# Altium PCB DCAC_V2c.PcbDoc (part 3 of 7)
Units mm, origin at the board's own origin, x right, y up, seen from the top; angles counter-clockwise.
Board outline 174.4 x 124.43 mm, 4 copper layers (Top Layer, TOP_RTN, BOTT_RTN, Bottom Layer), stack 1.506 mm thick; 694 components, 367 nets, 1780 pads, 720 vias.
Unrouted connection lines stored in the file: 177.
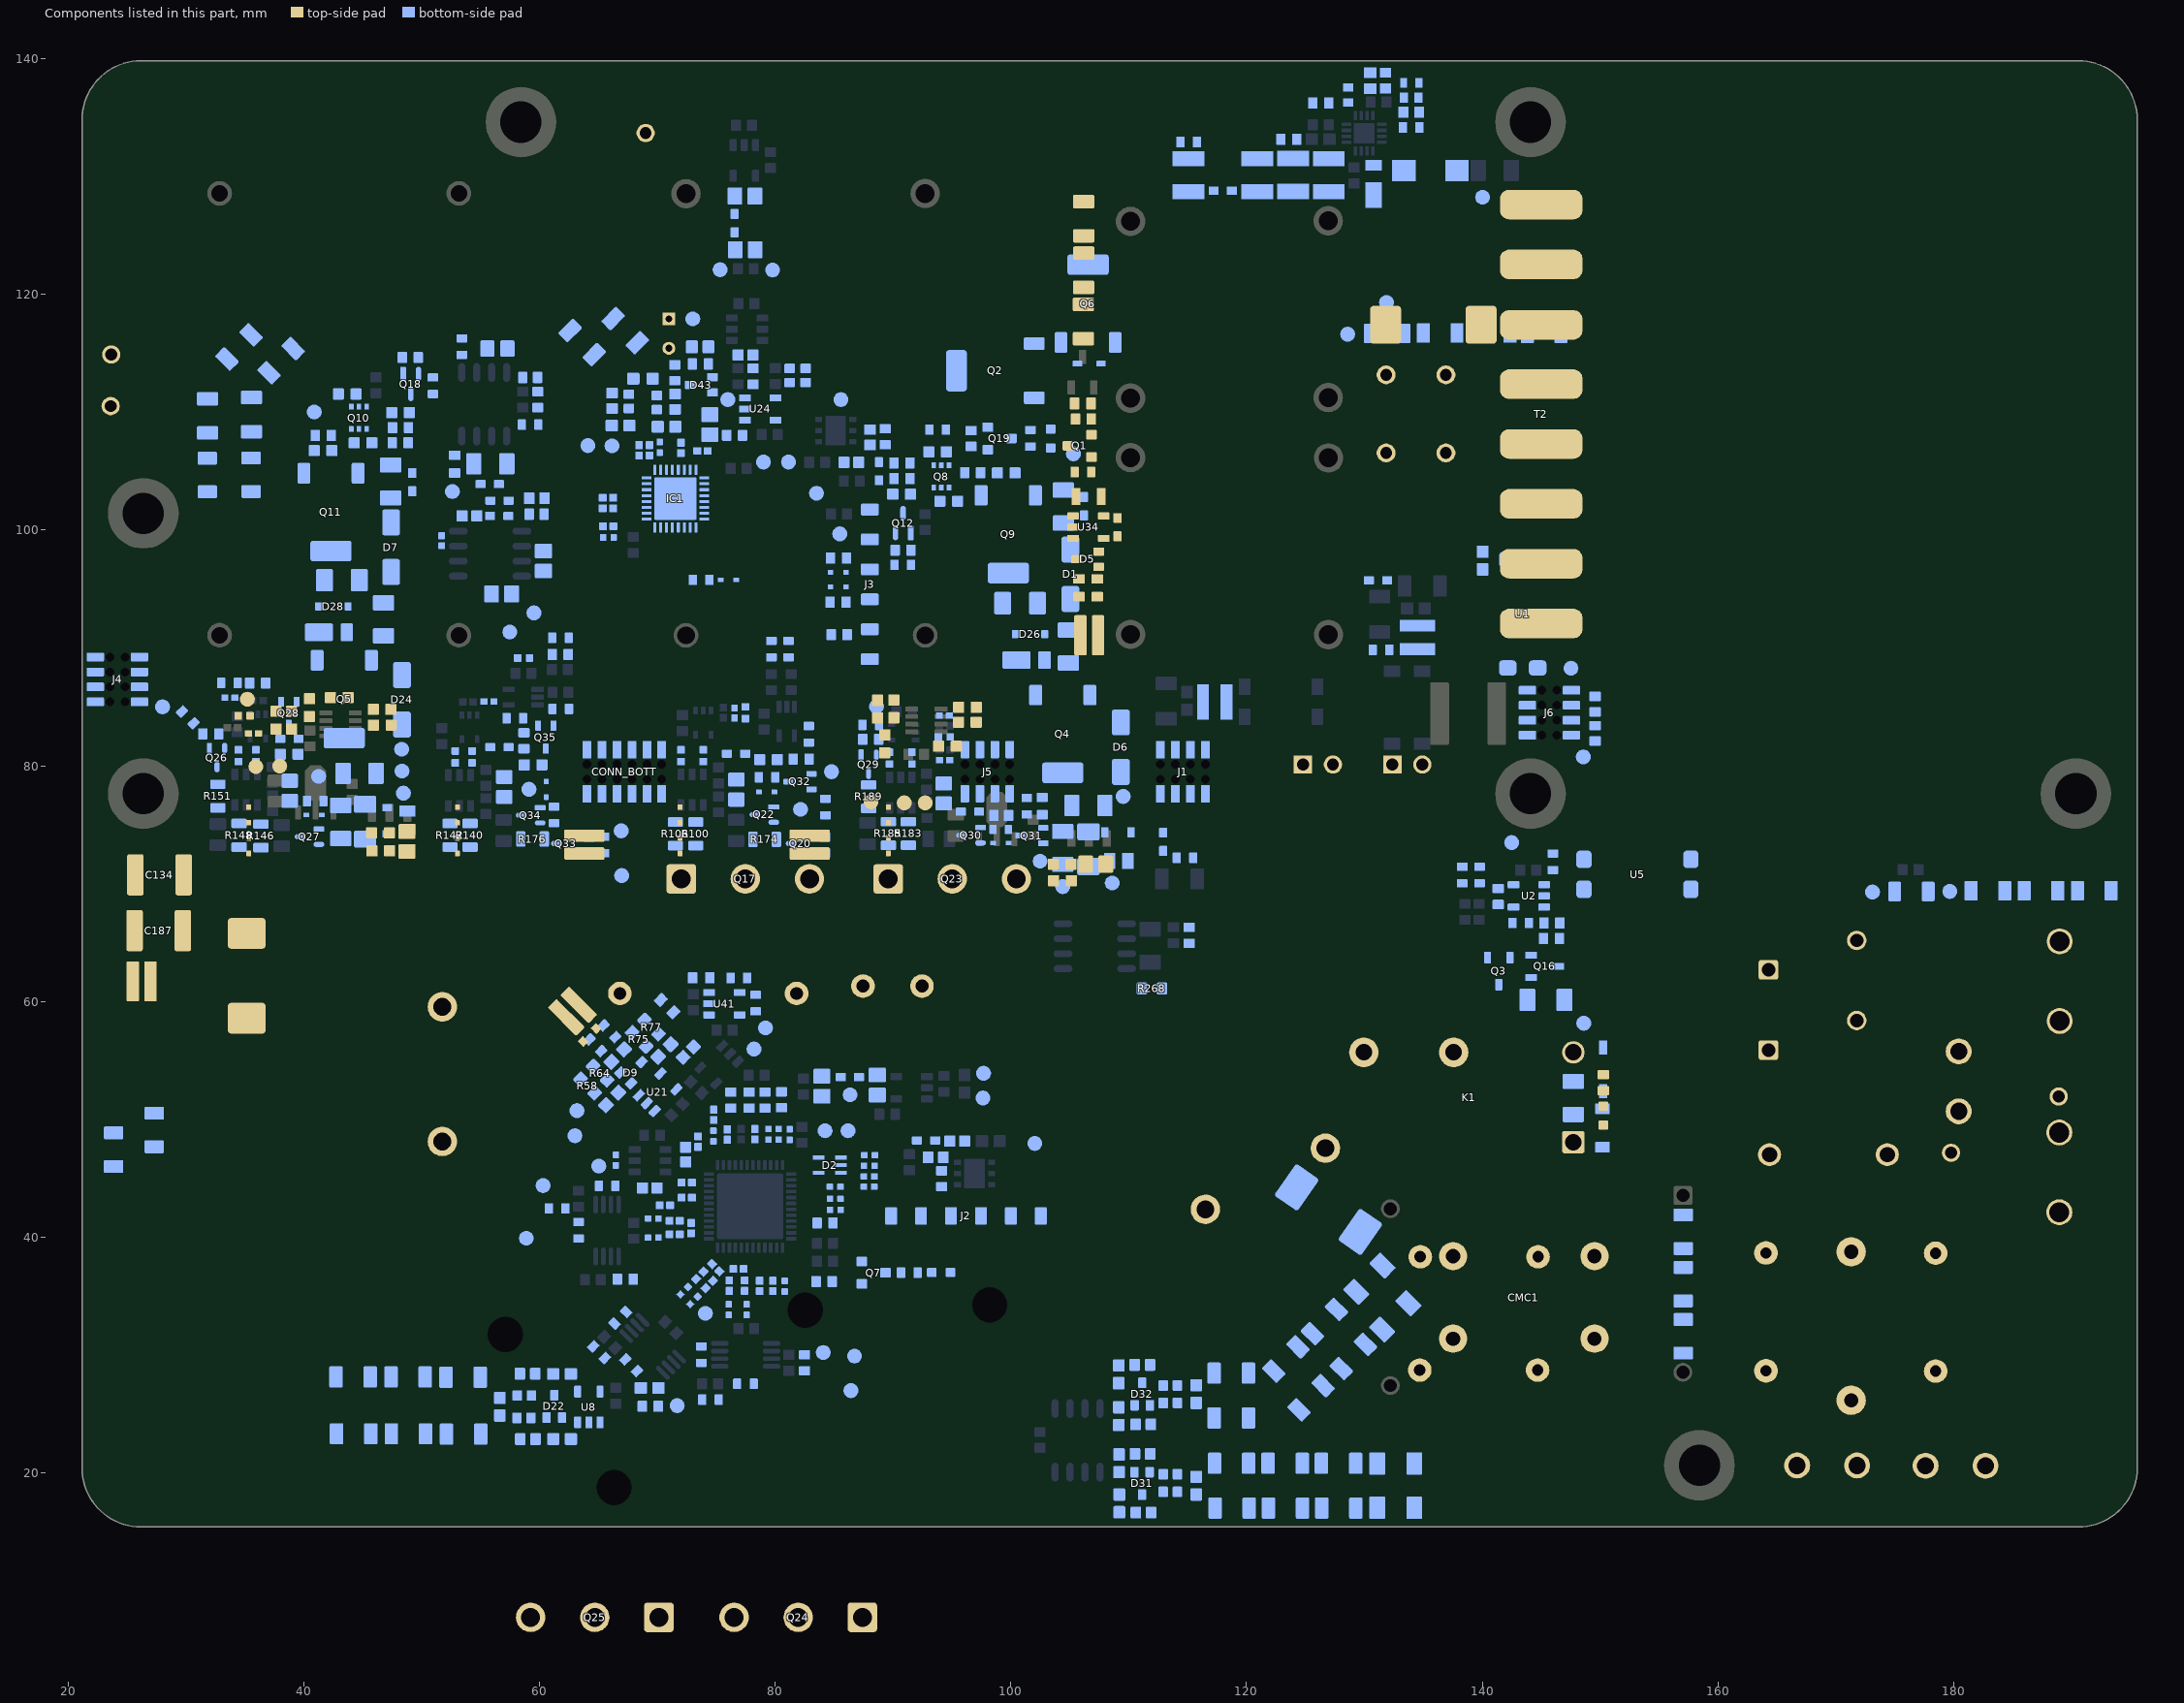
[diagram p5: the components of this part, seen from the top]

## Part data (continued)
C25 C26 C27 C28 C38 C42 C43 C45 C47 C49: library part CAP-NP-2, "X5R ±10% 50V 10uF 1206 Multilayer Ceramic Capacitors MLCC - SMD/SMT ROHS", Capacitance=10µF, Case Size/Dimension=1206, Dielectric=X5R, JLCPCB Part #=C13585, Manufacturer=AVX, Package Description="2-Pin Surface Mount Device, Body 3.2 x 1.6 mm", Rated Voltage=25V, Tolerance (%)=±10%, Datasheet URL=http://datasheets.avx.com/cx5r.pdf, Datasheet Version=05/2016, Manufacturer URL=http://www.avx.com/, Mounting Technology=SurfaceMount, Package Reference=1206
C29 C46 C63 C64 C68 C72 C104 C108 C114 C160: library part CAP, "X7R 100nF ±10% 16V 0402 Multilayer Ceramic Capacitors MLCC - SMD/SMT ROHS", Case Code (Imperial)=0402, Case Code (Metric)=1005, Dielectric=X5R, Dielectric Material=Ceramic, JLCPCB Part #=C1525, Manufacturer="AVX Interconnect / Elco", Manufacturer Part Number=04026D104KAT2A, Max Operating Temperature=85°C, Min Operating Temperature=-55°C, Package Quantity=1, Supplier Part Number 1=34M9214, Tolerance=10%, Voltage=6.3V, Capacitance=100nF, Case/Package=0402, Category="Ceramic Capacitors", Construction=Flat, Contact Plating=Tin,Matte, Depth=0.5mm, Height=0.56mm, Lead Free="Lead Free", Length=1mm, Mount="Surface Mount", Packaging="Tape and Reel", Part Number=04026D104KAT2A, Pricing 1="10=0.02800, 25=0.02300, 50=0.01800, 100=0.01200, 250=0.01100, 500=0.00900, 1000=0.00700 (USD)", Radiation Hardening=No, REACH SVHC="No SVHC", RoHS=Yes, RoHS Compliant=Yes, Series=-, Stock 1=1436, Supplier 1=Newark, Termination=SMD/SMT, Thickness=0.022inch, Voltage Rating=6.3V, Voltage Rating (DC)=6.3V, Width=0.02inch
C32 C39 C50 C51 C52 C62 C74 C76 C130 C145 C146 C147 C154 C166: library part CMP-2006-04245-1, "X7R 1nF ±10% 50V 0603 Multilayer Ceramic Capacitors MLCC - SMD/SMT ROHS", Capacitance=100pF, Case Code (Imperial)=0603, Case Code (Metric)=1608, Dielectric=C0G, Dielectric Material=Ceramic, Insulation Resistance=100GR, JLCPCB Part #=C1588, Manufacturer="AVX Interconnect / Elco", Manufacturer Part Number=06035A151JAT2A, Max Operating Temperature=125°C, Min Operating Temperature=-55°C, Package Quantity=1, Part Number=06035A151JAT2A., Supplier Part Number 1=478-1177-1-ND, Temperature coefficient=30ppm/°C, Tolerance=5%, Voltage=50V, Case/Package=0603, Category="Ceramic Capacitors", ComponentLink1Description=https://datasheet.ciiva.com/1124/84496-1124721.pdf?src-supplier=Element14, ComponentLink1URL=https://datasheet.ciiva.com/1124/84496-1124721.pdf?src-supplier=Element14, ComponentLink2Description=https://datasheet.ciiva.com/2987/ccog-2987781.pdf?src-supplier=Avnet, ComponentLink2URL=https://datasheet.ciiva.com/2987/ccog-2987781.pdf?src-supplier=Avnet, ComponentLink3Description=https://datasheet.ciiva.com/7855/759117-7855061.pdf?src-supplier=Element14, ComponentLink3URL=https://datasheet.ciiva.com/7855/759117-7855061.pdf?src-supplier=Element14, ComponentLink4Description=https://datasheet.ciiva.com/2987/ccog-2987782.pdf?src-supplier=Avnet, ComponentLink4URL=https://datasheet.ciiva.com/2987/ccog-2987782.pdf?src-supplier=Avnet, ComponentLink5Description=https://datasheet.ciiva.com/156/ccog-156216.pdf?src-supplier=Digi-Key, ComponentLink5URL=https://datasheet.ciiva.com/156/ccog-156216.pdf?src-supplier=Digi-Key, ComponentLink6Description=https://datasheet.ciiva.com/156/ccog-156217.pdf?src-supplier=Digi-Key, ComponentLink6URL=https://datasheet.ciiva.com/156/ccog-156217.pdf?src-supplier=Digi-Key, ComponentLink7Description=https://datasheet.ciiva.com/156/ccog-156218.pdf?src-supplier=Digi-Key, ComponentLink7URL=https://datasheet.ciiva.com/156/ccog-156218.pdf?src-supplier=Digi-Key, ComponentLink8Description=https://datasheet.ciiva.com/16300/ccog-16300429.pdf?src-supplier=Future+Electronics, ComponentLink8URL=https://datasheet.ciiva.com/16300/ccog-16300429.pdf?src-supplier=Future+Electronics, ComponentLink9Description=https://datasheet.ciiva.com/22699/84496-22699966.pdf?src-supplier=Element14, ComponentLink9URL=https://datasheet.ciiva.com/22699/84496-22699966.pdf?src-supplier=Element14, ComponentLink10Description=https://datasheet.ciiva.com/5418/ccog-5418335.pdf?src-supplier=Mouser, ComponentLink10URL=https://datasheet.ciiva.com/5418/ccog-5418335.pdf?src-supplier=Mouser, ComponentLink11Description=https://datasheet.ciiva.com/16538/ccog-16538111.pdf?src-supplier=Avnet+Asia, ComponentLink11URL=https://datasheet.ciiva.com/16538/ccog-16538111.pdf?src-supplier=Avnet+Asia, Contact Plating=Tin,Matte, Depth=0.81mm, Height=0.86mm, Lead Free="Lead Free", Length=1.6mm, Mount="Surface Mount,PCB", Number of Pins=2, Packaging="Tape and Reel", Pricing 1="1=0.12000, 10=0.08900, 100=0.04180, 500=0.02932, 1000=0.02428 (USD)", Radiation Hardening=No, REACH SVHC="No SVHC", RoHS=Yes, Stock 1=63714, Supplier 1=Digi-Key, Termination=SMD/SMT, Thickness=0.035inch, Voltage Rating=50V, Voltage Rating (DC)=50V, Width=0.032inch
C33: library part CAPMF_330n_TH_MPET_63VDC_10%, "MPX564K305G", Manufacturer 1="EPCOS Inc", Manufacturer Part Number 1=ECW-FE2W475P, Operating Temperature="-55°C ~ 125°C", Package / Case=Radial, Ratings=305VAC, Supplier Part Number 1=495-2548-ND, Tolerance=±10%, ComponentLink1Description=http://www.epcos.com/inf/20/20/db/fc_2009/MKT_B32520_529.pdf, ComponentLink1URL=http://www.epcos.com/inf/20/20/db/fc_2009/MKT_B32520_529.pdf, Height - Seated (Max)=6.50mm, Lead Spacing=5.00mm, Material="Metallized Polyester", SCDType=source, Size / Dimension="7.20mm L x 3.00mm W max", Supplier 1=Digi-Key
C34 C40 C41 C60 C70 C83 C84 C92 C132 C133 C135 C144 C150 C164 C165: library part CMP-2008-02701-1, "X7R 1nF ±10% 50V 0402 Multilayer Ceramic Capacitors MLCC - SMD/SMT ROHS", Case Code (Imperial)=0402, Case Code (Metric)=1005, Dielectric=X7R, JLCPCB Part #=C1523, Manufacturer="AVX Interconnect / Elco", Manufacturer Part Number=04025C102MAT2A, Max Operating Temperature=125°C, Min Operating Temperature=-55°C, Package Quantity=1, Supplier Part Number 1=478-5130-1-ND, Tolerance=20%, Voltage=50V, Capacitance=1nF, Case/Package=0402, Category="Ceramic Capacitors", ComponentLink1Description=https://datasheet.ciiva.com/11787/0900766b80dc2409-11787048.pdf?src-supplier=RSComponents, ComponentLink1URL=https://datasheet.ciiva.com/11787/0900766b80dc2409-11787048.pdf?src-supplier=RSComponents, ComponentLink2Description=https://datasheet.ciiva.com/150/cx7r-150278.pdf?src-supplier=Digi-Key, ComponentLink2URL=https://datasheet.ciiva.com/150/cx7r-150278.pdf?src-supplier=Digi-Key, ComponentLink3Description=https://datasheet.ciiva.com/5424/cx7r-218113-5424822.pdf?src-supplier=Mouser, ComponentLink3URL=https://datasheet.ciiva.com/5424/cx7r-218113-5424822.pdf?src-supplier=Mouser, ComponentLink4Description=https://datasheet.ciiva.com/150/cx7r-150279.pdf?src-supplier=Digi-Key, ComponentLink4URL=https://datasheet.ciiva.com/150/cx7r-150279.pdf?src-supplier=Digi-Key, ComponentLink5Description=https://datasheet.ciiva.com/150/cx7r-150280.pdf?src-supplier=Digi-Key, ComponentLink5URL=https://datasheet.ciiva.com/150/cx7r-150280.pdf?src-supplier=Digi-Key, ComponentLink6Description=https://datasheet.ciiva.com/16327/cx7r-16327672.pdf?src-supplier=Future+Electronics, ComponentLink6URL=https://datasheet.ciiva.com/16327/cx7r-16327672.pdf?src-supplier=Future+Electronics, ComponentLink7Description=https://datasheet.ciiva.com/1123/1679506-1123707.pdf?src-supplier=Element14, ComponentLink7URL=https://datasheet.ciiva.com/1123/1679506-1123707.pdf?src-supplier=Element14, ComponentLink8Description=https://datasheet.ciiva.com/1123/1679506-1123708.pdf?src-supplier=Element14, ComponentLink8URL=https://datasheet.ciiva.com/1123/1679506-1123708.pdf?src-supplier=Element14, ComponentLink9Description=https://datasheet.ciiva.com/11510/cx7r-11510958.pdf?src-supplier=Avnet, ComponentLink9URL=https://datasheet.ciiva.com/11510/cx7r-11510958.pdf?src-supplier=Avnet, ComponentLink10Description=https://datasheet.ciiva.com/16623/cx7r-16623374.pdf?src-supplier=Avnet+Europe, ComponentLink10URL=https://datasheet.ciiva.com/16623/cx7r-16623374.pdf?src-supplier=Avnet+Europe, Construction=Flat, Depth=0.5mm, Height=0.56mm, Lead Free="Lead Free", Length=1mm, Mount="Surface Mount", Packaging="Tape and Reel", Part Number=04025C102MAT2A, Pricing 1="1=0.10000, 10=0.03300, 50=0.01800, 100=0.01470, 500=0.01046, 1000=0.00822, 2500=0.00748, 5000=0.00688 (USD)", Radiation Hardening=No, REACH SVHC="No SVHC", RoHS=Yes, RoHS Compliant=Yes, Series=-, Stock 1=32316, Supplier 1=Digi-Key, Termination=SMD/SMT, Thickness=0.022inch, Voltage Rating=50V, Voltage Rating (DC)=50V, Width=0.02inch
C35 C37 C188 C189: library part CAPMF_330n_TH_MPET_63VDC_10%, "B32021A3222K289", Manufacturer 1="EPCOS Inc", Manufacturer Part Number 1=ECW-FE2W475P, Operating Temperature="-55°C ~ 125°C", Package / Case=Radial, Ratings=300VAC, Supplier Part Number 1=495-2548-ND, Tolerance=±10%, ComponentLink1Description=http://www.epcos.com/inf/20/20/db/fc_2009/MKT_B32520_529.pdf, ComponentLink1URL=http://www.epcos.com/inf/20/20/db/fc_2009/MKT_B32520_529.pdf, Height - Seated (Max)=6.50mm, Lead Spacing=5.00mm, Material="Metallized Polyester", SCDType=source, Size / Dimension="7.20mm L x 3.00mm W max", Supplier 1=Digi-Key
C36 C86 C167: library part CAP, "X7R 1nF ±10% 50V 0603 Multilayer Ceramic Capacitors MLCC - SMD/SMT ROHS", Capacitance=100pF, Case Code (Imperial)=0603, Case Code (Metric)=1608, Dielectric=C0G, Dielectric Material=Ceramic, Insulation Resistance=100GR, JLCPCB Part #=C1588, Manufacturer="AVX Interconnect / Elco", Manufacturer Part Number=06035A151JAT2A, Max Operating Temperature=125°C, Min Operating Temperature=-55°C, Package Quantity=1, Part Number=06035A151JAT2A., Supplier Part Number 1=478-1177-1-ND, Temperature coefficient=30ppm/°C, Tolerance=5%, Voltage=50V, Case/Package=0603, Category="Ceramic Capacitors", ComponentLink1Description=https://datasheet.ciiva.com/1124/84496-1124721.pdf?src-supplier=Element14, ComponentLink1URL=https://datasheet.ciiva.com/1124/84496-1124721.pdf?src-supplier=Element14, ComponentLink2Description=https://datasheet.ciiva.com/2987/ccog-2987781.pdf?src-supplier=Avnet, ComponentLink2URL=https://datasheet.ciiva.com/2987/ccog-2987781.pdf?src-supplier=Avnet, ComponentLink3Description=https://datasheet.ciiva.com/7855/759117-7855061.pdf?src-supplier=Element14, ComponentLink3URL=https://datasheet.ciiva.com/7855/759117-7855061.pdf?src-supplier=Element14, ComponentLink4Description=https://datasheet.ciiva.com/2987/ccog-2987782.pdf?src-supplier=Avnet, ComponentLink4URL=https://datasheet.ciiva.com/2987/ccog-2987782.pdf?src-supplier=Avnet, ComponentLink5Description=https://datasheet.ciiva.com/156/ccog-156216.pdf?src-supplier=Digi-Key, ComponentLink5URL=https://datasheet.ciiva.com/156/ccog-156216.pdf?src-supplier=Digi-Key, ComponentLink6Description=https://datasheet.ciiva.com/156/ccog-156217.pdf?src-supplier=Digi-Key, ComponentLink6URL=https://datasheet.ciiva.com/156/ccog-156217.pdf?src-supplier=Digi-Key, ComponentLink7Description=https://datasheet.ciiva.com/156/ccog-156218.pdf?src-supplier=Digi-Key, ComponentLink7URL=https://datasheet.ciiva.com/156/ccog-156218.pdf?src-supplier=Digi-Key, ComponentLink8Description=https://datasheet.ciiva.com/16300/ccog-16300429.pdf?src-supplier=Future+Electronics, ComponentLink8URL=https://datasheet.ciiva.com/16300/ccog-16300429.pdf?src-supplier=Future+Electronics, ComponentLink9Description=https://datasheet.ciiva.com/22699/84496-22699966.pdf?src-supplier=Element14, ComponentLink9URL=https://datasheet.ciiva.com/22699/84496-22699966.pdf?src-supplier=Element14, ComponentLink10Description=https://datasheet.ciiva.com/5418/ccog-5418335.pdf?src-supplier=Mouser, ComponentLink10URL=https://datasheet.ciiva.com/5418/ccog-5418335.pdf?src-supplier=Mouser, ComponentLink11Description=https://datasheet.ciiva.com/16538/ccog-16538111.pdf?src-supplier=Avnet+Asia, ComponentLink11URL=https://datasheet.ciiva.com/16538/ccog-16538111.pdf?src-supplier=Avnet+Asia, Contact Plating=Tin,Matte, Depth=0.81mm, Height=0.86mm, Lead Free="Lead Free", Length=1.6mm, Mount="Surface Mount,PCB", Number of Pins=2, Packaging="Tape and Reel", Pricing 1="1=0.12000, 10=0.08900, 100=0.04180, 500=0.02932, 1000=0.02428 (USD)", Radiation Hardening=No, REACH SVHC="No SVHC", RoHS=Yes, Stock 1=63714, Supplier 1=Digi-Key, Termination=SMD/SMT, Thickness=0.035inch, Voltage Rating=50V, Voltage Rating (DC)=50V, Width=0.032inch
C48 C53 C69 C90 C91 C100 C101 C127 C143 C173: library part CAP, "X5R 25V ±10% 10uF 0805 Multilayer Ceramic Capacitors MLCC - SMD/SMT ROHS", JLCPCB Part #=C15850, Manufacturer=Murata, Part Number=GRM21BR71A106KE51L
C78 C97 C105 C113 C117: library part CMP-2100-03644-1, "X7R ±10% 50V 330nF 0805 Multilayer Ceramic Capacitors MLCC - SMD/SMT ROHS", Capacitance=100nF, Case Code (Imperial)=0805, Case Code (Metric)=2012, Dielectric=X7R, Dielectric Material=Ceramic, Insulation Resistance=10GR, JLCPCB Part #=C1740, Manufacturer=Murata, Manufacturer Part Number=GRM21BR71H104KA01L, Max Operating Temperature=125degC, Min Operating Temperature=-55degC, Package Description="2-Pin Surface Mount Device, Body 2 x 1.25 mm", Package Quantity=1, Supplier Part Number 1=2408531, Tolerance=10%, Voltage=50V, Case/Package=0805, Category="Ceramic Capacitors", ComponentLink1Description=https://datasheet.ciiva.com/11786/0900766b8003061f-11786305.pdf?src-supplier=RSComponents, ComponentLink1URL=https://datasheet.ciiva.com/11786/0900766b8003061f-11786305.pdf?src-supplier=RSComponents, ComponentLink2Description=https://datasheet.ciiva.com/20173/71-2024-20173169.pdf?src-supplier=Rapid+Electronics, ComponentLink2URL=https://datasheet.ciiva.com/20173/71-2024-20173169.pdf?src-supplier=Rapid+Electronics, ComponentLink3Description=https://datasheet.ciiva.com/29200/453120-da-01-en-vs-kondensator-0805-29200537.pdf?src-supplier=Conrad, ComponentLink3URL=https://datasheet.ciiva.com/29200/453120-da-01-en-vs-kondensator-0805-29200537.pdf?src-supplier=Conrad, ComponentLink4Description=https://datasheet.ciiva.com/132/partnumbering-e-01-132209.pdf?src-supplier=Digi-Key, ComponentLink4URL=https://datasheet.ciiva.com/132/partnumbering-e-01-132209.pdf?src-supplier=Digi-Key, ComponentLink5Description=https://datasheet.ciiva.com/132/partnumbering-e-01-132210.pdf?src-supplier=Digi-Key, ComponentLink5URL=https://datasheet.ciiva.com/132/partnumbering-e-01-132210.pdf?src-supplier=Digi-Key, ComponentLink6Description=https://datasheet.ciiva.com/132/partnumbering-e-01-132211.pdf?src-supplier=Digi-Key, ComponentLink6URL=https://datasheet.ciiva.com/132/partnumbering-e-01-132211.pdf?src-supplier=Digi-Key, ComponentLink7Description=https://datasheet.ciiva.com/7937/1794405-7937708.pdf?src-supplier=Element14, ComponentLink7URL=https://datasheet.ciiva.com/7937/1794405-7937708.pdf?src-supplier=Element14, ComponentLink8Description=https://datasheet.ciiva.com/7937/1794405-7937709.pdf?src-supplier=Element14, ComponentLink8URL=https://datasheet.ciiva.com/7937/1794405-7937709.pdf?src-supplier=Element14, ComponentLink9Description=https://datasheet.ciiva.com/28534/1769893-28534317.pdf?src-supplier=Element14, ComponentLink9URL=https://datasheet.ciiva.com/28534/1769893-28534317.pdf?src-supplier=Element14, ComponentLink10Description=https://datasheet.ciiva.com/7937/4360-7937710.pdf?src-supplier=Element14, ComponentLink10URL=https://datasheet.ciiva.com/7937/4360-7937710.pdf?src-supplier=Element14, Datasheet URL=http://psearch.en.murata.com/capacitor/product/GRM21BR71H104KA01%23.pdf, Datasheet Version=42675.0, Depth=1.25mm, Height=1.25mm, Lead Free=LeadFree, Length=2mm, Manufacturer URL=http://www.murata.com/, Material=Ceramic, Mount=SurfaceMount, Number of Pins=2, Package Reference=0805, Packaging=TapeandReel, Radiation Hardening=No, REACH SVHC=Unknown, RoHS=Yes, RoHSCompliant=true, Stock 1=576000, Supplier 1=Farnell, Termination=SMD/SMT, Thickness=0.053inch, Voltage Rating=50V, Voltage Rating (DC)=50V, Width=0.049inch
C94 C106 C110 C111 C153 C157 C159: library part CAP-NP-2, "X5R ±10% 10V 10uF 0603 Multilayer Ceramic Capacitors MLCC - SMD/SMT ROHS", Capacitance=0.1µF, Case Code (Imperial)=0603, Case Code (Metric)=1608, Dielectric=X7R, JLCPCB Part #=C19702, Manufacturer="Samsung Electro-Mechanics", Manufacturer Part Number=CL10B104KB8NNNC, Max Operating Temperature=125°C, Min Operating Temperature=-55°C, Package Quantity=1, Rated Voltage=50V, Supplier Part Number 1=1276-1000-1-ND, Tolerance=10%, Tolerance (%)=±10%, Case Size/Dimension=0603, Case/Package=0603, Category="Ceramic Capacitors", ComponentLink1Description=https://datasheet.ciiva.com/25803/cl10b104kb8nnnc-25803393.pdf?src-supplier=Digi-Key, ComponentLink1URL=https://datasheet.ciiva.com/25803/cl10b104kb8nnnc-25803393.pdf?src-supplier=Digi-Key, ComponentLink2Description=https://datasheet.ciiva.com/26838/getdatasheetpartid-89097-26838411.pdf?src-supplier=Verical, ComponentLink2URL=https://datasheet.ciiva.com/26838/getdatasheetpartid-89097-26838411.pdf?src-supplier=Verical, ComponentLink3Description=https://datasheet.ciiva.com/29198/456651-da-01-en-vs-kondensator-0605-29198839.pdf?src-supplier=Conrad, ComponentLink3URL=https://datasheet.ciiva.com/29198/456651-da-01-en-vs-kondensator-0605-29198839.pdf?src-supplier=Conrad, Construction=Flat, Contact Plating=Tin, Datasheet URL=https://datasheet.ciiva.com/29198/456651-da-01-en-vs-kondensator-0605-29198839.pdf, Datasheet Version=Nov-10, Depth=0.8mm, Height=0.8mm, Lead Free="Lead Free", Length=1.6mm, Manufacturer URL=http://www.samsungsem.com/global/index.jsp, Material=Ceramic, Mount="Surface Mount", Packaging="Tape and Reel", Pricing 1="1=0.10000, 10=0.03000, 50=0.01620, 100=0.01330, 500=0.00950, 1000=0.00746 (USD)", Radiation Hardening=No, RoHS=Yes, RoHS Compliant=Yes, Series=CL, Stock 1=13409690, Supplier 1=Digi-Key, Thickness=0.035inch, Voltage=50V, Voltage Rating=50V, Voltage Rating (DC)=50V, Width=0.031inch
C134 C187: library part CAP, "CAP 100nF 630V ±10% 1812 (4532 Metric) Thickness 2.3mm SMD", Case-EIA=1812, Case-Metric=4532, Rated Voltage="630 V", Tolerance=Â±10%, Max Thickness="2.3 mm", Technology=SMT
C178 C179 C180 C181: library part CMP-2000-05478-1, "Ceramic Capacitor, 25 V, 22 uF, +/-10%, -55 to 85 degC, 2-Pin SMD (1210), RoHS, Tape and Reel", Case Code (Imperial)=1210, Case Code (Metric)=3225, Case Height=2.79mm, Case Length=3.2mm, Case Width=2.5mm, Dielectric=X5R, Manufacturer=AVX, Manufacturer Part Number=12103D226KAT2A, Max Operating Temperature=85°C, Maximum Operating Temperature=+85C, Min Operating Temperature=-55°C, Minimum Operating Temperature=-55C, Operating Temperature Range=-55Cto+85C, Package / Case=1210(3225metric), Package Description="2-Pin Surface Mount Device, Body 3.2 x 2.5 mm", Package Quantity=1000, Supplier Part Number 1=85R5759, Temperature Coefficient / Code=+/-15%, Tolerance=10%, Voltage Rating=25V, Brand=AVX, Capacitance=22uF, Case Code - in=1210, Case Code - mm=3225, Case/Package=1210, Category="Ceramic Capacitors", ComponentLink1Description=https://datasheet.ciiva.com/154/cx5r-154880.pdf?src-supplier=Digi-Key, ComponentLink1URL=https://datasheet.ciiva.com/154/cx5r-154880.pdf?src-supplier=Digi-Key, ComponentLink2Description=https://datasheet.ciiva.com/5423/cx5r-33896-5423477.pdf?src-supplier=Mouser, ComponentLink2URL=https://datasheet.ciiva.com/5423/cx5r-33896-5423477.pdf?src-supplier=Mouser, ComponentLink3Description=https://datasheet.ciiva.com/11500/cx5r-11500021.pdf?src-supplier=Avnet, ComponentLink3URL=https://datasheet.ciiva.com/11500/cx5r-11500021.pdf?src-supplier=Avnet, ComponentLink4Description=https://datasheet.ciiva.com/16625/cx5r-16625126.pdf?src-supplier=Avnet+Europe, ComponentLink4URL=https://datasheet.ciiva.com/16625/cx5r-16625126.pdf?src-supplier=Avnet+Europe, ComponentLink5Description=https://datasheet.ciiva.com/7709/1666675-7709623.pdf?src-supplier=Element14, ComponentLink5URL=https://datasheet.ciiva.com/7709/1666675-7709623.pdf?src-supplier=Element14, ComponentLink6Description=https://datasheet.ciiva.com/16426/cx5r-16426551.pdf?src-supplier=Future+Electronics, ComponentLink6URL=https://datasheet.ciiva.com/16426/cx5r-16426551.pdf?src-supplier=Future+Electronics, ComponentLink7Description=https://datasheet.ciiva.com/7709/1796776-7709624.pdf?src-supplier=Element14, ComponentLink7URL=https://datasheet.ciiva.com/7709/1796776-7709624.pdf?src-supplier=Element14, ComponentLink8Description=https://datasheet.ciiva.com/16537/cx5r-16537162.pdf?src-supplier=Avnet+Asia, ComponentLink8URL=https://datasheet.ciiva.com/16537/cx5r-16537162.pdf?src-supplier=Avnet+Asia, ComponentLink9Description=https://datasheet.ciiva.com/28592/759405-28592876.pdf?src-supplier=Element14, ComponentLink9URL=https://datasheet.ciiva.com/28592/759405-28592876.pdf?src-supplier=Element14, ComponentLink10Description=https://datasheet.ciiva.com/154/cx5r-154878.pdf?src-supplier=Digi-Key, ComponentLink10URL=https://datasheet.ciiva.com/154/cx5r-154878.pdf?src-supplier=Digi-Key, ComponentLink11Description=https://datasheet.ciiva.com/154/cx5r-154879.pdf?src-supplier=Digi-Key, ComponentLink11URL=https://datasheet.ciiva.com/154/cx5r-154879.pdf?src-supplier=Digi-Key, ComponentLink12Description=https://datasheet.ciiva.com/2988/cx5r-2988191.pdf?src-supplier=Avnet, ComponentLink12URL=https://datasheet.ciiva.com/2988/cx5r-2988191.pdf?src-supplier=Avnet, Contact Plating=Tin,Matte, Datasheet URL=http://datasheets.avx.com/cx5r.pdf, Datasheet Version=05/2016, Depth=2.5mm, Dimensions=2.5mmWx3.2mmLx2.79mmH, Factory Pack Quantity=1000, Height=2.79mm, Lead Free="Lead Free", Length=3.2mm, Manufacturer URL=http://www.avx.com/, Mount="Surface Mount", Mounting Technology=SurfaceMount, Number of Pins=2, Package Reference=1210, Packaging=Reel, Pricing 1="1=1.70000, 10=1.26000, 25=1.18000, 50=1.10000, 100=1.02000 (USD)", Product=GeneralTypeMLCCs, Product Category=MultilayerCeramicCapacitorsMLCC-SMD/SMT, Radiation Hardening=No, REACH SVHC="No SVHC", RoHS=Details, RoHS Compliant=Yes, Series="Hi-Cap MLCC", Stock 1=476, Supplier 1=Newark, Termination=SMD/SMT, Termination Style=SMD/SMT, Thickness=0.11inch, Type=StandardX5RMLCCs, Voltage Rating (DC)=25V, Voltage Rating DC=25V, Width=0.098inch